# KiCad board TRS80IJP_1.kicad_pcb (continued)
## Routing (per net, layer and track width the routed paths; a pad name or vN(x,y) marks a point on that pad's centre or on a via; arc(x,y) is an arc through that point) (continued)
P5V: length 1709.9
  Top w0.25: FAN1.3 179.5,160.73 180.57,159.66 180.57,152.82 178.08,150.33 178.08,145.82 v1(178.18,145.73) ; v1(383.39,161.6) v1(383.39,159.19) ; v1(320.91,87.31) v1(320.91,85.66) ; v1(319.64,85.66) v1(319.64,87.31) ; 32.74,123.76 32.92,123.94 Q2.1 34.74,121.4 34.82,121.32 ; 173.26,40.2 172.89,40.57 171.05,40.57 v1(170.67,40.95) ; 313.92,162.62 v1(311.76,162.62) ; v1(382.5,159.19) v1(382.5,161.6) ; 366.93,68.02 C58.2
  Top w1.5: 228.79,98.79 v1(227.93,99.65) ; 228.79,98.79 227.73,99.85 Z15.9 ; 228.79,98.79 229.91,97.67 230.77,97.67 ; v1(227.93,99.65) 227.71,99.43 227.71,98.5 ; v1(227.93,99.65) 227.93,97.71 v1(227.97,97.67) ; 249.32,169.3 249.33,170.63 249.53,170.83 R19.2 ; 249.32,169.3 248.32,168.29 R20.1 248.39,168.29 249.31,167.37 ; 249.32,169.3 249.31,167.37 ; 128.46,71.54 128.46,69.89 129.82,68.53 ; 128.46,71.54 128.46,73.56 R48.1 ; 128.46,71.54 128.46,69.57 127.49,68.6 ; v1(397.7,129.16) v1(395.8,129.15) 390.84,129.16 ; 33.19,37.33 32.15,36.29 Z51.14 32.15,36.2 31.22,37.13 ; 93.58,37.81 94.45,38.68 R67.1 94.45,38.51 95.25,37.71 ; 251.59,97.67 250.72,98.54 Z17.9 250.72,98.29 250.1,97.67 ; 251.59,97.67 250.1,97.67 ; 251.59,97.67 v1(254.55,97.67) 258.38,97.67 258.52,97.81 261.31,97.81 ; 251.56,39.53 250.71,38.68 R74.1 250.71,38.69 249.83,39.57 ; 290.47,40.13 289.46,41.14 C69.2 289.46,41.22 288.43,40.19 ; 113.96,65.96 114.99,64.93 114.99,61.87 C53.2 ; v1(198.7,120.13) Z14.16 196.51,119.82 ; 230.77,97.67 v1(227.97,97.67) ; 230.77,97.67 v1(231.84,97.67) 238.94,97.67 ; R72.1 198.62,8.22 C67.2 ; 246.15,39.47 246.92,38.7 Z63.14 246.92,38.81 247.72,39.61 ; 93.91,37.01 93.2,36.3 Z54.14 93.2,36.24 92.36,37.08 ; 250.1,97.67 240.18,97.67 ; R19.2 258.17,170.83 259.96,172.62 ; R19.2 260.39,170.83 260.47,170.91 ; 390.84,129.16 390.84,128.12 390.85,128.11 ; 390.84,129.16 392.14,127.86 397.63,127.86 397.64,127.87 ; 390.84,129.16 R31.2 ; Z28.5 82.08,80.79 C44.2 ; 367.67,122.59 367.67,123.25 ; 367.67,122.59 C39.2 ; 367.67,122.59 370.47,125.39 ; 367.67,123.25 367.67,124.15 368.14,124.62 ; 367.67,123.25 365.53,125.39 ; 290.9,98.59 290.9,99.31 Z20.9 293.37,97.92 293.37,97.81 ; 355.6,123.48 356.65,124.53 ; 355.6,123.48 354.71,122.71 Z24.16 351.03,124.62 ; 355.6,123.48 353.23,123.48 352.9,123.81 ; 356.65,124.53 357.51,125.39 RP2.1 365.53,125.39 ; 356.65,124.53 356.56,124.62 351.03,124.62 ; 32.91,121.03 32.1,120.22 Z3.8 32.1,120.12 31.11,121.11 ; JP9.1 45,165.03 44.13,165.9 40.72,165.9 40.36,165.54 ; 46.61,120.97 47.49,120.09 Z4.16 47.49,120.12 48.34,120.97 ; 308.78,39.64 307.9,38.76 Z67.14 307.9,38.67 306.92,39.65 ; v1(121.21,129.15) 121.11,129.25 v1(118.58,129.25) ; 110.14,93.42 109.26,93.18 Z29.16 108.48,92.09 107.15,93.42 ; 262.84,39.44 262.06,38.66 Z64.14 261.78,38.77 260.79,39.67 ; 249.31,167.37 249.29,163.2 C12.1 ; 365.53,125.39 370.47,125.39 ; Z47.14 307.86,66.86 307.88,67.75 ; 226.95,98.86 226.89,98.8 225.19,98.8 225.19,98.87 Z15.9 ; 23.73,161.99 23.73,164.91 23.85,165.03 ; 13.85,119.68 13.85,120.29 12.78,121.36 ; 13.85,119.68 13.85,120.23 15.18,121.56 ; 13.85,119.68 13.85,116.3 14.4,115.75 17.96,115.75 18.65,116.44 R34.1 ; 126.12,68.16 125.04,67.08 Z37.18 125.04,67.09 123.72,68.41 ; 154.25,120.18 155.31,119.12 Z11.16 155.31,118.93 156.79,120.41 ; 21.68,93.43 23.31,95.06 23.31,96.07 ; 276.56,97.81 277.4,98.65 Z19.9 279.44,97.81 279.63,97.81 ; 276.56,97.81 265.08,97.81 ; 276.56,97.81 279.63,97.81 ; CR4.1 12.28,129.1 11.8,128.62 11.8,126.06 ; 80.9,37.16 81.77,36.29 R66.1 81.77,36.23 82.83,37.29 ; 232.46,39.73 231.5,38.77 Z62.14 231.5,38.83 230.7,39.63 ; 76.79,93.42 77.94,91.89 Z27.16 78,92.07 79.35,93.42 ; 139.05,37.48 140.33,36.2 Z57.16 140.33,36.37 141.05,37.09 ; 12.87,123.2 11.8,124.27 11.8,126.06 ; v1(8.14,123.03) 8.15,123.04 10.23,123.04 11.8,124.61 11.8,126.06 ; 141.22,120.02 140.17,118.97 Z10.18 140.17,118.87 139,120.04 ; Z48.11 313.93,38.84 313.92,38.85 ; 293.49,39.48 292.72,38.71 Z66.16 292.72,38.73 291.79,39.66 ; 63.81,65.74 62.74,64.67 Z33.14 62.74,64.72 61.6,65.86 ; v1(253.66,68.68) 253.97,68.37 C56.2 ; 78.83,37.04 77.98,36.19 Z53.14 77.98,36.27 77.35,36.9 ; 183.66,119.86 184.69,118.83 Z13.16 184.69,119 185.55,119.86 ; 262.36,67.54 262.21,67.39 Z44.14 ; Z15.9 224.21,97.69 224.19,97.67 v1(227.97,97.67) ; 15.88,37.18 16.87,36.19 Z50.14 16.87,36.26 17.9,37.29 ; 370.47,125.39 388.13,125.39 390.85,128.11 ; 48.64,65.58 47.53,64.47 Z32.14 47.53,64.55 46.35,65.73 ; 65.24,65.95 66.54,64.65 C52.2 66.54,64.49 67.92,65.87 ; 293.37,97.81 304.64,97.81 ; 293.37,97.81 279.63,97.81 ; 61.45,93.42 62.67,92.2 Z26.14 62.67,92.18 63.91,93.42 ; K1.5 23.75,163.44 24.57,164.26 ; K1.5 23.75,163.17 22.76,164.15 ; K1.5 23.75,164.5 23.85,165.03 ; 292.58,67.75 292.57,67.74 Z46.14 ; 209.9,80.53 208.89,79.52 Z42.24 208.89,79.63 207.86,80.66 ; 304.64,97.81 305.35,98.52 305.35,99.85 305.35,98.59 306.13,97.81 ; 304.64,97.81 306.13,97.81 ; 229.08,79.39 229.07,79.38 Z43.24 ; 95.56,121.47 97,120.03 C23.2 97,120.19 98.14,121.33 ; C49.2 R52.2 ; 97.66,37.1 96.97,36.41 C64.2 96.97,36.3 96.11,37.16 ; 145.13,37.06 143.98,35.91 R68.1 143.98,36.22 142.97,37.23 ; C55.2 238.06,65.68 238.86,66.48 ; 25.83,123.09 24.53,124.39 R5.2 24.53,124.61 23.21,123.29 ; 8.83,38.25 9.38,37.69 ; 265.08,97.81 264.16,97.81 Z18.9 262.12,98.62 261.31,97.81 ; 265.08,97.81 261.31,97.81 ; 390.85,128.11 390.85,127.62 391.86,126.61 v1(395.77,126.61) v1(397.63,126.61) ; 109.55,121.31 108.45,120.21 Z8.16 108.45,120.24 107.35,121.34 ; 109.4,65.3 108.34,64.24 Z36.16 108.34,64.27 107.3,65.31 ; 61.8,37.21 62.64,36.37 Z52.14 62.64,36.24 63.64,37.24 ; 240.18,97.67 239.29,98.56 Z16.9 239.29,98.64 239.3,98.63 238.94,97.67 ; 240.18,97.67 238.94,97.67 ; R65.1 58.76,13.34 R64.1 ; 217.18,39.64 216.41,38.87 Z61.16 216.41,38.85 215.72,39.54 ; 297.43,39.6 296.42,38.59 R76.1 296.42,38.81 295.8,39.43 ; R55.1 314.19,68.1 314.4,68.31 314.43,66.23 314.19,66.76 313.16,67.79 ; 173.26,40.2 174.47,38.99 R69.1 174.47,38.73 175.85,40.11 ; 351.03,124.62 350.29,125.36 339.13,125.36 338.11,124.34 Z23.20 ; 23.31,96.07 24.77,93.42 ; 23.31,96.07 20.66,93.42 ; 169.58,120.04 170.64,118.98 Z12.20 170.64,118.8 171.7,119.86 ; 36.78,121.02 36.04,120.28 R40.2 36.04,120.1 34.82,121.32 ; R54.1 296.5,67.73 296.48,67.75 ; 7.9,37.33 7.9,39.99 C59.2 8.06,37.57 8.05,37.58 v1(8.33,37.58) 8.33,37.3 8.09,37.54 ; 61.91,121.03 62.77,120.17 Z5.14 62.77,120.26 63.5,120.99 ; Z22.9 320.64,98.25 320.2,97.81 313.25,97.81 v1(313.03,97.59) 312.81,97.81 306.13,97.81 ; 23.85,165.03 22.32,165.92 22.3,165.94 v1(5.38,165.94) ; v1(279.96,163.88) v1(279.96,162.55) ; 30.97,65.65 32.2,64.42 Z31.14 32.2,64.52 33.29,65.61 ; v1(254.93,73.56) v1(256.89,73.56) ; 14.86,93.42 v1(14.86,93.42)
  Top w2: 383.22,43.85 376.76,37.39 Z68.20 ; C58.2 377.86,68.04 386.75,76.93 395.9,76.93 v1(395.91,76.92) 398.25,76.92 v1(398.28,76.89) ; Z49.20 366.93,68.02
  Top w2.25: v1(11.74,93.42) 21.68,93.43 24.77,93.42 v1(88.13,93.42) C45.2
  Top w2.5: CR2.1 118.6,156.54 118.94,156.88 R16.2
  Top w3: 383.22,43.85 v1(401.72,43.85) v1(404.74,43.85)
  Bottom w0.25: v1(383.39,159.19) v1(382.5,159.19) ; Z59.16 170.88,40.74 v1(170.67,40.95) ; v1(320.91,85.66) v1(319.64,85.66) ; R7.2 48.24,149.41 48.24,161.6 47.78,162.06 JP9.1 ; v1(383.39,161.6) v1(382.5,161.6) 382.37,161.6 ; v1(311.76,162.62) v1(314.05,162.62) ; v1(319.64,87.31) v1(320.91,87.31)
  Bottom w1.5: 267.31,26.14 267.31,28.29 ; 267.31,26.14 267.31,23.39 ; 267.31,26.14 267.29,26.14 C68.2 267.22,23.39 267.31,23.39 ; 267.31,26.14 268.4,27.23 Z65.5 268.37,27.23 267.31,28.29 ; 267.31,28.29 267.31,39.61 v1(267.33,39.63) ; RP1.1 353.96,157.73 v1(355,160.16) ; Z45.14 277.42,67.74 v1(278.08,68.4) ; v1(196.74,40.13) 193.73,37.12 193.73,32.59 R70.1 188.97,27.83 188.97,18.22 R71.1 194.74,12.19 R72.1 ; 240.14,148.15 240.17,145.84 240.14,140.43 241.58,138.99 241.58,134.81 242.29,134.1 C13.2 ; 240.14,148.15 Z1.3 ; 240.14,148.15 240.1,148.11 240.1,159.29 240.24,159.43 C12.1 ; v1(41.79,37.39) 42.66,36.52 42.66,30.16 40.66,28.16 C63.2 ; v1(88.13,93.42) 88.13,82.21 86.7,80.79 Z28.5 ; Z31.14 35.98,60.99 C51.2 ; C29.2 231.81,91.2 231.81,97.64 v1(231.84,97.67) ; 183.62,56.54 189.11,56.54 189.85,55.8 189.85,45.25 189.84,45.25 v1(186.11,41.52) 185.87,41.28 Z60.14 ; Z39.16 155.45,65.63 v1(156.05,66.23) ; Z58.16 155.35,38.23 v1(155.37,38.25) ; Z38.18 138.71,66.44 v1(135.34,68.41) 135.34,74.33 C46.2 132.6,89.07 131.36,90.31 131.36,95.3 128.91,97.75 C24.2 128.91,117.64 128.9,117.63 Z9.18 ; v1(279.96,163.88) 279.95,163.87 279.94,163.87 279.94,163.85 ; 267.31,23.39 267.31,21.7 269.14,19.87 269.14,18.96 269.13,18.95 269.13,15.82 270.05,14.9 R75.2 ; v1(87.52,65.53) 88.12,64.93 88.12,56.12 88.11,54.42 Z35.5 ; Z56.16 125,38.04 v1(125.01,38.05) ; v1(254.55,97.67) 254.66,97.56 254.66,91.22 C32.2 ; v1(8.14,123.03) 8.14,121.64 v1(8.16,121.62) ; C22.2 v1(66.53,121.05) ; v1(118.58,129.25) 118.6,129.27 118.71,129.15 ; Z6.5 71.75,108.75 72.65,109.65 v1(72.65,121.1) ; C65.2 114.1,26.65 114.1,37.34 v1(114.38,37.62) ; v1(5.41,164.07) 5.38,164.1 v1(5.38,165.94) ; v1(198.7,120.13) 198.7,123.07 200.9,125.27 223.11,125.27 227.08,121.3 227.08,116.49 227.93,115.64 v1(227.93,99.65) 227.97,99.61 v1(227.97,97.67) ; Z7.5 86.77,108.75 88.17,110.15 v1(88.17,121.3) ; 4.58,48.96 5.91,50.29 R52.2 5.95,50.29 4.44,51.8 ; Z55.14 v1(108.3,38.22) ; Z34.5 71.61,52.87 72.59,53.85 72.59,64.44 v1(70.76,66.27) ; v1(401.72,43.85) 403.74,41.83 403.74,6.05 CN1.1 401.87,4.17 CN2.1 ; Z46.14 291.56,65.57 290.6,64.6 290.6,43.16 290,42.56 C69.2 ; v1(59.16,37.36) 59.8,36.72 59.8,23.78 58.36,22.34 58.36,13.34 58.37,13.33 R65.1 ; C35.2 283.22,91.82 283.22,96.94 v1(283.68,97.4) ; v1(255.6,69.38) 254.9,68.68 v1(253.66,68.68) 253.66,72.29 v1(254.93,73.56) ; Z41.14 185.59,78.08 v1(184.07,79.59)
  Bottom w2.5: R16.2 150.19,146.08 150.28,145.98 150.36,145.68 v1(178.18,145.73) 238.27,145.83 239.28,145.83 239.3,145.81 ; 118.6,135.18 118.6,129.27 ; 118.6,135.18 CR2.1 ; 118.6,135.18 118.6,132.71 121.25,130.05 121.25,129.19 v1(121.21,129.15) 118.71,129.15
  vias: v1(8.09,65.24) v1(8.11,63.17) v1(10.57,37.56) v1(180.92,63.14) v1(180.92,60.88)
P12V: length 760.6
  Top w0.25: FAN1.1 180.35,165.81 183.37,162.79 183.37,144.8 188.52,139.65 188.52,132.86 188.45,132.79 188.45,132.72 189.5,131.67 243.49,131.67 244.06,131.65 247.99,131.73 249.08,131.73 249.26,131.89 254.19,136.82 254.19,144.2 Z1.11
  Top w1.5: v1(218.57,122.87) 218.57,124.79 219.11,125.33 v1(233.98,125.33) v1(256.3,125.33) v1(271.77,125.32) v1(300.05,125.3) 314.92,125.33 v1(314.93,125.32) ; v1(315.19,92.51) 314.99,92.31 221.87,92.31 221.84,92.28 v1(219.07,92.28)
  Bottom w0.25: Z1.12 Z1.11 ; 264.63,148.15 Z2.3 ; 267.18,148.15 267.26,147.56
  Bottom w1.5: C30.2 v1(246.14,92.22) 245.3,93.03 245.3,98.82 ; 245.3,100.58 244.57,99.85 Z17.8 244.27,99.85 245.3,98.82 ; 245.3,100.58 245.3,98.82 ; 245.3,100.58 245.3,122.61 245.35,124.52 v1(245.96,125.33) ; 257.36,98.43 v1(257.36,92.29) ; 257.36,98.43 255.94,99.85 ; 257.36,98.43 257.36,99.85 ; 286.29,98.73 285.17,99.85 Z20.8 285.03,99.85 286.29,101.11 ; 286.29,98.73 v1(286.29,92.31) ; 286.29,98.73 286.29,101.11 ; 300.06,100.73 300.06,99 ; 300.06,100.73 300.06,125.3 v1(300.05,125.3) ; 300.06,100.73 299.18,99.85 297.73,99.85 299.21,99.85 300.06,99 ; 300.06,99 v1(300.06,92.31) 300.06,90.97 C36.2 ; Z19.8 271.93,99.85 ; Z19.8 270.96,99.85 271.93,100.82 ; Z19.8 271.06,99.85 271.93,98.98 ; 271.93,99.85 271.93,98.98 ; 271.93,99.85 271.93,100.82 ; 271.93,98.98 271.93,91.45 C33.2 ; 257.36,99.85 257.36,101.27 ; 257.36,99.85 Z18.8 255.94,99.85 ; 257.36,101.27 255.94,99.85 ; 257.36,101.27 257.36,123.13 256.24,124.25 256.24,125.27 v1(256.3,125.33) ; 269.67,162.46 C14.1 269.67,158.58 267.26,156.17 267.26,129.91 271.77,125.4 v1(271.77,125.32) 271.93,125.16 271.93,100.82 ; 269.67,162.46 269.67,165.93 267.14,168.46 267.12,168.44 R26.1 ; 269.67,162.46 276.22,162.46 276.34,162.58 276.34,176.38 276.36,176.4 302.79,176.4 302.98,176.21 302.98,168.17 303.04,168.11 317.51,168.11 R30.1 ; 219.07,99.48 218.7,99.85 Z15.8 ; 219.07,99.48 219.07,122.37 v1(218.57,122.87) ; 219.07,99.48 v1(219.07,92.28) C27.2 ; v1(233.98,125.33) 233.99,125.32 233.99,99.67 ; 233.99,99.67 v1(234,92.31) ; 233.99,99.67 233.81,99.85 Z16.8 ; Z22.8 315.18,99.85 315.19,99.84 ; v1(314.93,125.32) 315.19,125.06 315.19,99.84 ; 315.19,99.84 v1(315.19,92.51) ; Z1.12 267.18,148.15 ; v1(284.54,125.33) 284.61,121.44 286.29,118.43 286.29,101.11
!HALT: length 49.8
  Top w0.25: v1(311.18,53.13) 310.37,53.94 309.75,53.94 309.7,53.99 302.87,53.99 301.46,55.41 Z47.5
  Bottom w0.25: Z48.18 318.28,21.79 316.82,22.69 316.81,25.9 314.21,27.8 314.21,30.14 314.75,30.68 314.75,33.22 315.48,33.95 315.66,34.14 315.67,35.84 313.38,38.13 313.38,38.54 310.31,41.61 310.31,52.26 v1(311.18,53.13)
!IORQ: length 67.2
  Top w0.25: Z67.5 300,27.09 298.97,27.09 297.01,29.05 294.85,29.05 294.37,28.57 289.93,28.57 289.61,28.89 286.92,28.89 286.61,28.58 282.03,28.58 279.3,25.85 277.85,25.85 277.84,25.84 267.86,25.84 267.46,26.24 265.12,26.24 263.74,24.86 Z64.9 ; v1(312.87,24.57) 312.61,24.83 Z67.9 303.71,24.83 v1(303,25.2)
  Bottom w0.25: Z48.20 314.83,19.24 314.8,23.53 v1(312.87,24.57) ; v1(303,25.2) 303,25.32 300.95,27.37 Z67.5
!M1: length 95.4
  Top w0.25: Z48.27 336.34,29.39 336.34,22.89 335.63,22.19 325.62,22.19 323.08,19.65 313.67,19.65 313.59,19.57 313.53,19.57 v1(311.82,21.28) ; v1(311.68,28.48) 311.67,28.5 299.21,28.5 299.12,28.41 296.5,31.04 266.08,31.04 266.06,31.02 265.69,31.02 Z64.10
  Bottom w0.25: v1(311.68,28.48) 311.68,26.62 311.5,26.44 311.5,21.6 v1(311.82,21.28)
!MREQ: length 49.7
  Top w0.25: Z66.2 286.55,36.44 290.72,36.44 291.04,36.12 293.57,36.12 293.95,35.74 299.53,35.74 Z67.2 Z67.13 313.51,34.99 v1(313.65,35.13)
  Bottom w0.25: Z48.19 318.56,19.36 315.8,21.14 315.83,25.63 313.41,27.4 313.42,30.52 313.92,31.02 313.92,34.86 v1(313.65,35.13)
!NMI: length 73.4
  Top w0.25: v1(281.96,23.73) 282.29,23.4 282.37,23.4 282.38,23.42 310.96,23.42 311.35,23.02 315.19,23.02 315.77,23.6 Z48.17
  Bottom w0.25: v1(281.96,23.73) 281.97,23.74 281.97,26.83 280.57,28.23 280.57,42.66 275.67,47.56 275.67,54.64 276.41,55.38 Z45.10
!RD: length 118.2
  Top w0.25: v1(265.42,45.52) 265.82,45.92 272.46,45.92 272.67,46.13 276.52,46.13 276.64,46.01 298.75,46.01 299.41,46.67 302.86,46.67 304.47,45.06 v1(306.56,45.06) ; Z67.10 308.22,27.37 308.82,26.77 316.34,26.77 316.84,27.27 327.74,27.27 327.93,27.07 327.93,27.11 v1(328.3,27.48)
  Bottom w0.25: v1(265.42,45.52) 265.14,45.8 265.14,53.39 263.12,55.41 262.26,55.41 ; v1(328.3,27.48) 328.26,20.82 Z48.21 ; Z67.10 306.45,28.82 306.45,31 Z67.12 306.56,33.79 v1(306.56,45.06) 306.56,45.4 307.25,46.09 307.25,48.52 306.48,49.29 306.48,51.49 307.86,52.87
!RESET: length 72
  Top w0.25: Z48.26 332.88,30.31 332.88,37.8 325.63,45.05 316.75,45.05 v1(316.3,45.49) ; Z46.12 293.77,61.68 314.86,61.68 v1(315.45,62.27)
  Bottom w0.25: v1(316.3,45.49) 315.36,46.43 315.36,53.76 316.24,54.64 316.24,56.45 314.34,58.35 314.34,61.16 v1(315.45,62.27)
!SHIFT: length 166.6
  Top w0.25: Z57.7 135.71,19.81 136.92,18.6 142.24,18.6 143.45,19.81 Z58.7 ; v1(24.19,7.97) 24.19,7.82 24.79,7.22 32.52,7.22 33.75,5.99 37.63,5.99 38.64,4.98 70.29,4.98 73.69,8.38 80.94,8.38 81.58,7.74 87.19,7.74 87.54,8.09 96.99,8.09 98.38,6.7 105.59,6.7 108.1,9.21 118.17,9.21 118.46,8.92 127.84,8.92 129.08,10.16 v1(129.97,10.16) ; v1(20.47,29.88) 20.38,29.97 Z50.12
  Bottom w0.25: v1(20.47,29.88) 20.78,29.88 22.84,27.82 22.84,15.7 24.19,14.35 v1(24.19,7.97) ; Z57.7 133.94,18.58 133.95,18.58 134.35,18.18 134.35,14.54 v1(129.97,10.16)
!WR: length 108.6
  Top w0.25: Z67.1 303.85,37.53 305.25,36.13 310.46,36.13 310.76,35.83 312.45,35.83 312.91,36.29 314.32,36.29 315.73,34.88 315.74,34.89 325.94,34.89 329.53,31.3 v1(329.53,29.67) ; v1(295.82,43.78) 294.41,45.19 276.56,45.19 276.19,45.56 272.96,45.56 272.64,45.24 267.84,45.24 266.36,43.76 264.62,43.76 v1(262.88,45.5)
  Bottom w0.25: 262.26,52.87 264.2,50.93 264.2,46.82 v1(262.88,45.5) ; v1(329.53,29.67) 329.59,29.67 330.86,28.4 330.86,21.66 333.81,19.33 Z48.22 ; v1(295.82,43.78) 298.39,40.93 Z67.1 301.18,37.53 302.18,36.53 302.18,31.81 Z67.4
/CPU/A0: length 633.7
  Top w0.25: Z68.9 350.9,17.07 352.38,15.59 352.44,15.66 391.59,15.66 v1(391.65,15.59) ; v1(226.02,60.38) 226.01,60.37 Z43.8 211.62,60.37 211.61,60.38 210.46,59.23 202.67,59.23 v1(202.47,59.43) 202.21,59.17 195.19,59.17 193.99,60.37 Z42.8 189.69,60.37 188.79,61.27 184.83,61.27 180.73,65.38 Z41.6 177.48,65.38 177.38,65.47 176.41,65.47 169.32,72.56 168.62,72.56 156.65,84.53 124.76,84.53 123.78,83.55 118.2,83.55 117.7,83.05 114.25,83.05 v1(114.07,83.23)
  Bottom w0.25: v1(114.07,83.23) 112.71,81.87 112.71,65.73 110.95,63.97 110.95,63.84 110.96,63.83 110.96,56.68 110.16,55.88 110.16,52.15 108.34,50.33 ; v1(226.02,60.38) 226.56,59.84 226.53,47.84 232.49,43.27 235.78,40.91 237.03,39.66 237.03,13.12 242.31,8.56 293.25,8.6 300.55,16.87 312.78,16.99 318.79,13.49 342.86,13.48 344.34,14.96 344.34,16.27 345.14,17.07 Z68.9 ; 392.35,4.68 392.33,4.7 392.33,14.89 391.65,15.57 v1(391.65,15.59) 391.73,15.59 392.26,16.12 392.42,31.6 382.58,39.01 382.59,39.23 382.58,39.24 382.58,58.76 378.88,62.46 378.83,78.89 380.32,83.18 380.32,90.6 380.3,90.62 380.3,101.84 380.31,101.85 380.34,102.73 377.38,105.19 377.38,109.86 379.29,111.77 379.27,126.64 374.47,130.7 374.43,130.87 374.41,131 374.41,131.92 372.5,133.83 372.46,133.83 372.46,138.86 371.21,139.7 370.44,140.14 368.79,141.22 368.98,159.79 365.32,162.67 364.21,163.49 360.19,166.83 360.19,170.71 359.95,170.95 359.95,172.61 360.68,173.34 360.68,178.57 E1.25 ; v1(202.47,59.43) 202.5,59.46 202.5,61.86 201.03,63.33 201.03,74.41 201.71,75.09 201.71,80.73 195.26,87.18 195.26,112.15 192.32,115.09 Z14.2
  Bottom w1.5: 391.88,4.19 391.86,4.17 CN2.5
/CPU/A1: length 644.1
  Top w0.25: v1(218.94,63.15) 218.7,62.91 Z43.7 211.49,62.91 210.24,61.66 v1(199.93,61.66) 198.68,62.91 Z42.7 189.8,62.91 189.76,62.87 188.45,64.18 183.38,64.18 179.65,67.92 Z41.5 176.95,67.92 176.87,67.99 ; v1(393.43,39.87) 392.87,39.31 v1(384.09,39.31) ; 176.87,67.99 177.02,67.99 ; 176.87,67.99 175.42,67.99 170.09,73.32 168.91,73.32 156.87,85.36 124.23,85.36 123.41,84.54 v1(116.12,84.54) ; Z68.12 354.37,17.83 355.34,17.83 355.36,17.81 394.33,17.81 v1(394.71,17.43) ; v1(112.34,62.96) 111,61.62 106.06,61.62 104.93,60.49 100.72,60.49
  Bottom w0.25: Z68.12 351.9,15.36 351.89,15.36 351.89,12 348.32,8.43 334.18,8.43 327.96,2.21 298,2.07 295.36,3.64 229.16,3.06 225.06,7.33 224.95,7.44 222.27,7.44 220.56,9.15 220.56,12.43 221.44,13.31 221.44,26.07 222.23,26.86 222.23,28.95 221.9,29.28 221.9,39.79 218.92,42.77 218.92,63.13 v1(218.94,63.15) ; v1(393.43,39.87) 394.09,39.21 394.09,18.02 394.68,17.43 v1(394.71,17.43) 394.89,17.25 394.89,4.68 ; Z14.5 193.33,105.22 193.33,86.28 198.37,81.24 198.37,76.73 199.89,75.21 199.89,61.7 v1(199.93,61.66) ; v1(112.34,62.96) 113.49,64.11 113.49,80.38 116.13,83.02 116.13,84.53 v1(116.12,84.54) ; v1(384.09,39.31) 384.48,39.7 384.48,58.24 379.71,63.01 379.81,78.72 381.2,82.7 381.3,103.15 378.24,105.74 378.24,109.45 380.16,111.37 380.16,126.81 375.78,130.72 375.32,131.16 375.32,133.77 376.27,134.72 376.22,138.84 373.72,140.28 372.93,140.72 372.77,140.79 371.02,141.84 370.63,142.11 370.62,142.12 370.73,160.79 364.57,165.73 363.84,166.25 362.96,166.8 361.93,167.83 361.93,169.87 363.33,171.27 363.33,178.46 E1.27
  Bottom w1.5: CN2.4 394.36,4.17 394.38,4.19
/CPU/A2: length 620.8
  Top w0.25: v1(399.41,30.85) 399.36,30.9 390.15,30.9 v1(389.52,31.53) ; E1.40 378.44,178.63 378.44,170.44 378.46,170.42 378.52,170.42 v1(378.92,170.02) ; v1(226.65,65.64) 226.64,65.65 214.03,65.65 Z43.6 213.6,65.68 211.86,65.68 210.46,64.28 v1(202.61,64.28) 201.44,65.45 Z42.6 192.44,66.66 182.56,66.66 178.77,70.46 Z41.4 178.15,70.38 174.28,70.38 170.52,74.14 169.4,74.14 157.33,86.21 124,86.21 123.27,85.48 117.58,85.48 116.97,86.09 114.31,86.09 v1(113.74,85.52) ; Z68.7 350.94,22.15 352.31,20.78 355.02,20.78 356.11,19.69 388.2,19.69 v1(389.15,20.64)
  Bottom w0.25: 108.34,57.95 110.14,59.75 110.14,64.59 111.83,66.28 111.83,82.71 113.74,84.62 v1(113.74,85.52) ; v1(202.61,64.28) 202.3,64.59 202.3,74.08 202.76,74.54 202.76,81.29 196.13,87.92 196.13,102.9 198.16,104.93 Z14.11 ; v1(389.52,31.53) 389.52,21.01 v1(389.15,20.64) 389.81,19.98 389.81,4.68 ; Z68.7 343.32,19.48 343.32,16.04 341.6,14.32 319.32,14.27 313.84,17.4 312.96,17.87 300.14,17.84 292.81,9.25 242.72,9.24 237.86,13.49 237.77,39.36 237.75,40.28 227.6,48.14 227.6,59.83 227.66,59.89 227.66,64.63 v1(226.65,65.64) ; v1(378.92,170.02) 379.04,169.9 379.04,146.77 379.07,146.74 379.3,146.59 381.29,145.39 382.55,144.66 385.35,143.03 386.34,142.43 387.38,141.67 387.29,80.09 385.81,76.92 385.55,65.51 396.74,53.94 396.78,42.92 400.42,39.28 400.42,31.86 v1(399.41,30.85)
  Bottom w1.5: CN2.6 389.36,4.17 389.38,4.19
/CPU/A3: length 649.4
  Top w0.25: v1(204.96,110.08) 203.86,111.18 200.04,111.18 198.7,112.52 Z14.14 ; Z41.3 177.43,73 177.4,72.97 176.59,72.97 176.56,73 172.8,76.52 171.77,76.54 170.56,76.54 158.58,88.52 124.44,88.52 123.33,89.63 119.79,89.63 v1(118.48,88.32) ; v1(180.94,70.46) 182.15,69.25 187.26,69.25 188.52,67.99 Z42.5 194.97,66.67 198.68,66.67 199.64,67.63 204.72,67.63 205.45,66.9 v1(205.89,66.9) 206.01,66.78 210.23,66.78 211.44,67.99 Z43.5 214.94,69.1 218.74,69.1 v1(219.69,68.15) ; v1(381.88,36.61) 382.53,35.96 v1(389.21,35.96) ; v1(111.66,52.83) 110.49,54 106.92,54 106.9,53.97 106.59,54.28 103.42,54.28 102.01,52.87 100.72,52.87 ; v1(369.16,171.99) 370.53,173.36 370.53,173.45 370.57,173.49 E1.34 ; Z68.14 381.38,22.15 v1(381.52,22.01)
  Bottom w0.25: v1(205.89,66.9) 205.89,69.04 206.87,70.02 206.87,85.74 204,88.61 204,97.36 204.5,97.86 204.5,109.62 v1(204.96,110.08) ; v1(118.48,88.32) 118.48,83.81 114.26,79.59 114.26,62.36 115.09,61.53 115.09,59.48 111.66,56.05 v1(111.66,52.83) ; 382.19,4.68 382.22,4.71 382.22,12.78 383.03,13.59 383.03,20.5 v1(381.52,22.01) 381.91,22.4 381.91,36.58 v1(381.88,36.61) ; v1(219.69,68.15) 220.61,67.23 220.61,47.85 226.16,43.25 226.03,36.48 226.03,34.28 226.44,33.87 226.44,8.64 231.14,4.29 295.55,4.38 295.7,4.38 296.95,3.55 298.22,2.84 309.39,2.84 309.81,2.87 315.98,9.3 348.01,9.25 351.11,12.35 351.11,20.64 352.62,22.15 Z68.14 ; v1(369.16,171.99) 369.26,171.99 369.93,171.32 369.93,167.41 374.33,163.04 374.22,144.32 378.08,141.97 379.39,141.22 382.13,139.48 382.2,110.69 380.21,108.7 380.19,106.47 383.04,104.13 383.08,81.49 381.85,78.58 381.75,63.91 389.67,55.9 389.67,36.42 v1(389.21,35.96) ; Z41.3 180.75,70.46 v1(180.94,70.46)
  Bottom w1.5: CN2.9 381.86,4.16 381.88,4.19
/CPU/A4: length 650.5
  Top w0.25: Z68.5 350.81,27.23 352.23,25.82 398.9,25.82 399.16,25.8 399.44,25.8 v1(399.63,25.85) ; v1(398.5,37.79) 398.02,37.31 v1(386.65,37.31) ; v1(225.32,70.53) Z43.4 211.66,70.53 210.38,69.25 207.96,69.25 207.64,69.57 194.61,69.57 Z42.4 192.15,70.53 190.72,69.1 188.92,69.1 187.56,70.46 Z41.11 183.79,70.46 181.99,72.25 180.38,72.25 179.77,71.64 176.08,71.64 175.75,71.31 174.65,71.31 170.88,75.08 169.56,75.08 157.66,86.98 v1(121.3,86.98) ; 108.48,78.25 109.99,78.25 110.11,78.13 114.97,78.13 v1(116.14,76.96)
  Bottom w0.25: E1.31 368.03,173.35 367.76,173.08 367.76,171.12 369.04,169.84 369.08,166.99 373.37,162.83 373.38,143.6 374.72,142.82 377.8,141.04 379.28,140.23 381.15,139.07 381.06,110.87 379.33,109.14 379.33,105.94 379.77,105.55 382.14,103.69 382.15,82.06 380.84,78.7 380.67,63.64 387.07,57.07 387.07,37.73 v1(386.65,37.31) ; v1(225.32,70.53) 224.09,69.3 223.65,49.3 228.23,45.5 229.28,44.64 229.28,35.11 229.48,34.91 229.61,9.71 232.36,7.14 247.33,7.17 293.79,7.43 298.45,13.06 298.85,13.51 301.07,16.07 312.61,16.21 312.95,16.16 313.51,15.77 314.33,15.28 315.76,14.35 316.35,14 317.79,13.11 318.3,12.81 318.83,12.56 346.6,12.56 347.97,13.93 347.97,26.21 346.93,27.25 346.01,27.25 Z68.5 ; Z42.4 191.91,72.27 191.91,80.18 189.43,82.66 189.42,82.65 187.13,82.65 185.24,84.54 183.02,84.54 181.01,86.55 181.01,112.67 178.59,115.09 Z13.2 ; v1(121.3,86.98) 121.3,85.2 117.06,80.96 117.06,77.65 116.37,76.96 v1(116.14,76.96) ; v1(398.5,37.79) 399.22,37.07 399.22,33.49 398.08,32.35 398.08,30.1 399.63,28.55 v1(399.63,25.85) 399.95,25.35 399.97,4.68
  Bottom w1.5: CN2.2 399.37,4.17 CN1.2
/CPU/A5: length 618.7
  Top w0.25: 100.86,88.41 102.19,88.41 104.28,90.5 105.28,90.5 106.14,89.64 110.7,89.64 111.35,90.29 113.15,90.29 113.9,89.54 116.85,89.54 117.9,90.59 123.82,90.59 125.06,89.35 159,89.35 171.12,77.23 173.73,77.2 173.9,77.03 176.7,74.24 181.13,74.24 182.24,73.13 184.29,73.13 184.43,73 Z41.12 185.93,73.08 186.66,73.08 186.67,73.07 v1(189.85,73.07) Z42.3 195.37,73.07 196.82,71.62 205.51,71.62 205.71,71.82 210.33,71.82 211.58,73.07 Z43.3 v1(219.67,73.07) ; v1(396.93,27.1) 362.63,27.1 362.23,26.7 354.28,26.7 353.75,27.23 Z68.16
  Bottom w0.25: 397.43,4.68 397.43,26.6 v1(396.93,27.1) 395.45,28.58 395.45,40.87 394.05,42.27 394.05,54.08 383.67,64.46 383.79,77.68 385.15,80.84 385.15,82.33 385.25,140.82 383.28,142.14 382.07,142.83 378.95,144.58 377.81,145.27 377.24,145.84 377.24,165.05 373.37,168.92 373.37,170.54 372.66,171.25 372.66,172.77 373.41,173.52 373.41,178.54 E1.35 ; v1(219.67,73.07) 219.85,73.07 221.7,71.22 221.34,48.16 226.9,43.67 226.92,34.59 226.9,34.57 226.9,34.44 227.35,33.99 227.35,8.85 231.47,4.95 296.13,5.19 296.73,4.68 297.54,4.1 298.37,3.59 309.51,3.59 315.65,10.06 346.76,10 347.57,10.05 350.33,12.83 350.33,25.26 352.65,26.71 Z68.16 ; Z13.5 178.59,105.95 178.59,86.13 182.13,82.67 184.44,82.67 186.29,81.01 188.49,80.83 189.85,79.47 v1(189.85,73.07)